# Altium PCB smoothieboard-alt.PcbDoc (part 2 of 3) (continued)
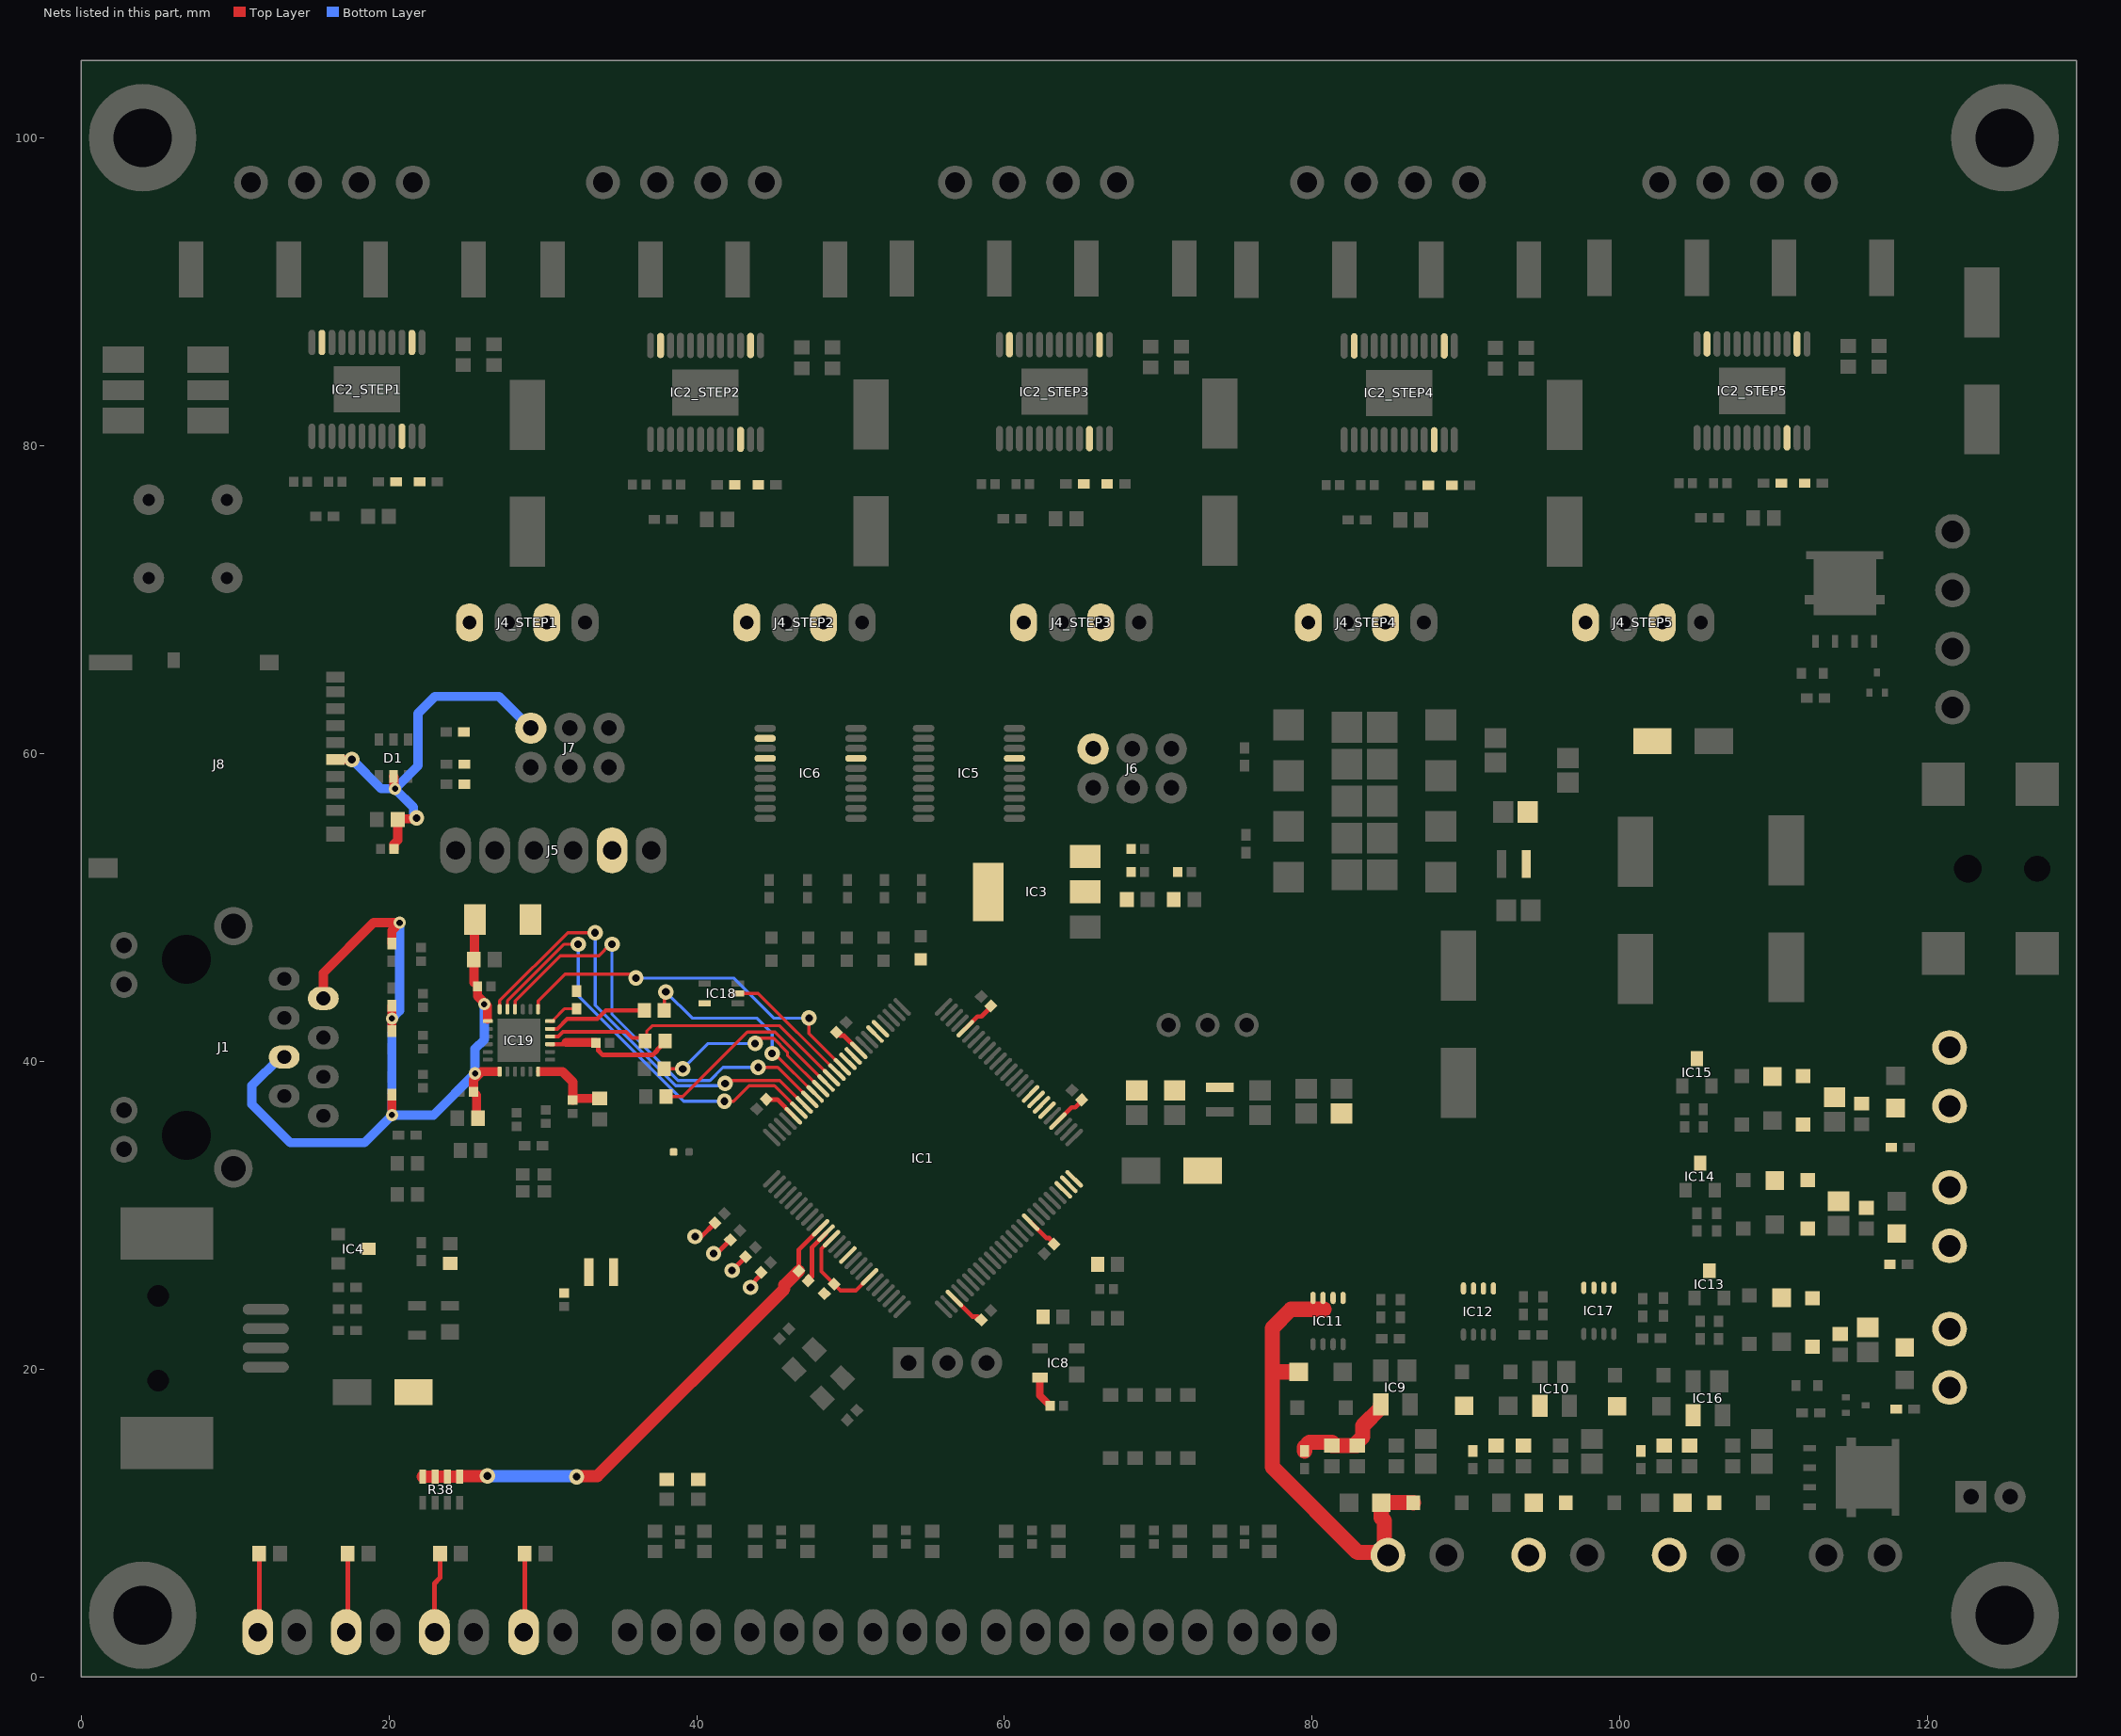
[diagram p3: the nets of this part, all layers, seen from the top]
## Part data (continued)
NT1 NT2: "Net tie point."
R1_STEP1 R1_STEP2 R1_STEP3 R1_STEP4 R1_STEP5 R2_STEP1 R2_STEP2 R2_STEP3 R2_STEP4 R2_STEP5: library part Y14870R05000B9W, "RES 0.05 OHM 0.1% 1W 2512", Device Package="2512 (6432 Metric)", Manufacturer="Vishay Foil Resistors (Division of Vishay Precision Group)", Operating Temperature="-65°C ~ 170°C", Power (Watts)=1W, Supplier Part Number 1=Y1487-.05-ND, Temperature Coefficient=±15ppm/°C, Tolerance=±0.1%, ComponentLink1Description=Datasheet, ComponentLink1URL=http://www.vishaypg.com/docs/63089/csm.pdf, ComponentLink2Description="DigiKey Link", ComponentLink2URL=http://digikey.com/product-detail/en/vishay-foil-resistors-division-of-vishay-precision-group/Y14870R05000B9W/Y1487-.05-ND/1888125, Composition="Metal Foil", Features="Current Sense, Moisture Resistant", Height - Seated (Max)="0.035\" (0.89mm)", LastUpdated="9/2/2020 01:27:03", Lifecycle Status=Active, Minimum Order=1, Number of Terminations=4, Package / Case="2512 (6432 Metric)", Packaging=Tray, Part Number=Y14870R05000B9W, Part Status=Active, Price=13.63, Resistance="50 mOhms", Series=CSM, Size / Dimension="0.250\" L x 0.125\" W (6.35mm x 3.18mm)", Supplier 1=DigiKey
R3_STEP1 R3_STEP2 R3_STEP3 R3_STEP4 R3_STEP5 R4_STEP1 R4_STEP2 R4_STEP3 R4_STEP4 R4_STEP5 R5_STEP1 R5_STEP2 R5_STEP3 R5_STEP4 R5_STEP5 R8 R13 R16 R17 R18 R52 R59 R60 R61 R62 R63 R65 R66 R67 R68 R90: library part CRCW040210K0JNTD, "RES SMD 10K OHM 5% 1/16W 0402", Device Package="0402 (1005 Metric)", Manufacturer="Vishay Dale", Operating Temperature="-55°C ~ 155°C", Power (Watts)="0.063W, 1/16W", Ratings=AEC-Q200, Supplier Device Package=0402, Supplier Part Number 1=541-CRCW040210K0JNTDCT-ND, Temperature Coefficient=±200ppm/°C, Tolerance=±5%, ComponentLink1Description=Datasheet, ComponentLink1URL=http://www.vishay.com/docs/20008/dcrcw.pdf, ComponentLink2Description="DigiKey Link", ComponentLink2URL=http://digikey.com/product-detail/en/vishay-dale/CRCW040210K0JNTD/541-CRCW040210K0JNTDCT-ND/11501263, Composition="Thick Film", Features="Automotive AEC-Q200", LastUpdated="9/2/2020 01:07:22", Lifecycle Status=Active, Minimum Order=1, Number of Terminations=2, Package / Case="0402 (1005 Metric)", Packaging=TapeAndReel, Part Number=CRCW040210K0JNTD, PartId=56880, Price=0.01, Resistance="10 kOhms", Series=CRCW, Supplier 1=DigiKey
R6 R7: library part SFR01MZPF33R0, "RES 33 OHM 1% 1/16W 0402", Device Package="0402 (1005 Metric)", Manufacturer="Rohm Semiconductor", Operating Temperature="-55°C ~ 155°C", Power (Watts)="0.063W, 1/16W", Supplier Device Package=0402, Supplier Part Number 1=511-1806-1-ND, Temperature Coefficient=±100ppm/°C, Tolerance=±1%, ComponentLink1Description=Datasheet, ComponentLink1URL=https://www.rohm.com/datasheet/SFR01MZPF/sfr-e, ComponentLink2Description="DigiKey Link", ComponentLink2URL=http://digikey.com/product-detail/en/rohm-semiconductor/SFR01MZPF33R0/511-1806-1-ND/9771870, Composition="Thick Film", Features=Anti-Sulfur, Height - Seated (Max)="0.016\" (0.40mm)", LastUpdated="9/2/2020 01:07:51", Lifecycle Status=Active, Minimum Order=1, Number of Terminations=2, Package / Case="0402 (1005 Metric)", Packaging=TapeAndReel, Part Number=SFR01MZPF33R0, Part Status=Active, PartId=11505, Price=0.01, Resistance="33 Ohms", Series=SFR, Size / Dimension="0.039\" L x 0.020\" W (1.00mm x 0.50mm)", Supplier 1=DigiKey
R9 R10 R15: library part SR0402FR-7T2K2L, "RES SMD 0402 1/5W 1% 2.2K OHM", Device Package="0402 (1005 Metric)", Manufacturer=Yageo, Operating Temperature="-55°C ~ 155°C", Power (Watts)="0.2W, 1/5W", Ratings=AEC-Q200, Supplier Device Package=0402, Supplier Part Number 1=YAG5818CT-ND, Temperature Coefficient=±200ppm/°C, Tolerance=±1%, ComponentLink1Description=Datasheet, ComponentLink1URL=http://www.yageo.com/documents/recent/PYu-SR_D_F%20tol_RoHS_L_4.pdf, ComponentLink2Description="DigiKey Link", ComponentLink2URL=http://digikey.com/product-detail/en/yageo/SR0402FR-7T2K2L/YAG5818CT-ND/9373203, Composition="Thick Film", Features="Automotive AEC-Q200, Pulse Withstanding", Height - Seated (Max)="0.016\" (0.40mm)", LastUpdated="9/2/2020 01:08:07", Lifecycle Status=Active, Minimum Order=1, Number of Terminations=2, Package / Case="0402 (1005 Metric)", Packaging=TapeAndReel, Part Number=SR0402FR-7T2K2L, Part Status=Active, PartId=4414, Price=0.11, Resistance="2.2 kOhms", Series=SR, Size / Dimension="0.039\" L x 0.020\" W (1.00mm x 0.50mm)", Supplier 1=DigiKey
R11 R12: library part RT0402FRE0733KL, "RES SMD 33K OHM 1% 1/16W 0402", Device Package="0402 (1005 Metric)", Manufacturer=Yageo, Operating Temperature="-55°C ~ 155°C", Power (Watts)="0.063W, 1/16W", Supplier Device Package=0402, Supplier Part Number 1=YAG5933CT-ND, Temperature Coefficient=±50ppm/°C, Tolerance=±1%, ComponentLink1Description=Datasheet, ComponentLink1URL=https://www.yageo.com/upload/media/product/productsearch/datasheet/rchip/PYu-RT_1-to-0.01_RoHS_L_11.pdf, ComponentLink2Description="DigiKey Link", ComponentLink2URL=http://digikey.com/product-detail/en/yageo/RT0402FRE0733KL/YAG5933CT-ND/9370963, Composition="Thin Film", Height - Seated (Max)="0.014\" (0.35mm)", LastUpdated="9/2/2020 01:07:32", Lifecycle Status=Active, Minimum Order=1, Number of Terminations=2, Package / Case="0402 (1005 Metric)", Packaging=TapeAndReel, Part Number=RT0402FRE0733KL, Part Status=Active, PartId=19353, Price=0.01, Resistance="33 kOhms", Series=RT, Size / Dimension="0.039\" L x 0.020\" W (1.00mm x 0.50mm)", Supplier 1=DigiKey
R14 R21 R23 R25 R27 R29 R31 R33 R34 R37 R39 R49: library part RCS060310K0JNEA, "RES SMD 10K OHM 5% 1/4W 0603", Device Package="0603 (1608 Metric)", Manufacturer="Vishay Dale", Operating Temperature="-55°C ~ 155°C", Power (Watts)="0.25W, 1/4W", Ratings=AEC-Q200, Supplier Device Package=0603, Supplier Part Number 1=541-2817-1-ND, Temperature Coefficient=±200ppm/°C, Tolerance=±5%, ComponentLink1Description=Datasheet, ComponentLink1URL=http://www.vishay.com/docs/20065/rcse3.pdf, ComponentLink2Description="DigiKey Link", ComponentLink2URL=http://digikey.com/product-detail/en/vishay-dale/RCS060310K0JNEA/541-2817-1-ND/5867110, Composition="Thick Film", Features="Automotive AEC-Q200, Pulse Withstanding", Height - Seated (Max)="0.020\" (0.50mm)", LastUpdated="9/2/2020 01:10:24", Lifecycle Status=Active, Minimum Order=1, Number of Terminations=2, Package / Case="0603 (1608 Metric)", Packaging=TapeAndReel, Part Number=RCS060310K0JNEA, Part Status=Active, PartId=5383, Price=0.02, Resistance="10 kOhms", Series="RCS e3", Size / Dimension="0.061\" L x 0.033\" W (1.55mm x 0.85mm)", Supplier 1=DigiKey
R19 R82 R88 R89: library part CRCW06030000Z0EAHP, "RES SMD 0 OHM JUMPER 1/4W 0603", Device Package="0603 (1608 Metric)", Manufacturer="Vishay Dale", Operating Temperature="-55°C ~ 155°C", Power (Watts)="0.25W, 1/4W", Ratings=AEC-Q200, Supplier Device Package=0603, Supplier Part Number 1=541-0.0SBCT-ND, Tolerance=Jumper, ComponentLink1Description=Datasheet, ComponentLink1URL=http://www.vishay.com/docs/20043/crcwhpe3.pdf, ComponentLink2Description="DigiKey Link", ComponentLink2URL=http://digikey.com/product-detail/en/vishay-dale/CRCW06030000Z0EAHP/541-0.0SBCT-ND/2222749, Composition="Thick Film", Features="Automotive AEC-Q200, Pulse Withstanding", Height - Seated (Max)="0.022\" (0.55mm)", LastUpdated="9/2/2020 01:10:23", Lifecycle Status=Active, Minimum Order=1, Number of Terminations=2, Package / Case="0603 (1608 Metric)", Packaging=TapeAndReel, Part Number=CRCW06030000Z0EAHP, Part Status=Active, PartId=5474, Price=0.02, Resistance="0 Ohms", Series=CRCW-HP, Size / Dimension="0.063\" L x 0.033\" W (1.60mm x 0.85mm)", Supplier 1=DigiKey
R20 R83: library part CRCW06030000Z0EAHP, "RES SMD 0 OHM JUMPER 1/4W 0603", Device Package="0603 (1608 Metric)", Manufacturer="Vishay Dale", Operating Temperature="-55°C ~ 155°C", Power (Watts)="0.25W, 1/4W", Ratings=AEC-Q200, Resistance="0 Ohms", Supplier Device Package=0603, Supplier Part Number 1=541-0.0SBCT-ND, Tolerance=Jumper, ComponentLink1Description=Datasheet, ComponentLink1URL=http://www.vishay.com/docs/20043/crcwhpe3.pdf, ComponentLink2Description="DigiKey Link", ComponentLink2URL=http://digikey.com/product-detail/en/vishay-dale/CRCW06030000Z0EAHP/541-0.0SBCT-ND/2222749, Composition="Thick Film", Features="Automotive AEC-Q200, Pulse Withstanding", Height - Seated (Max)="0.022\" (0.55mm)", LastUpdated="9/2/2020 01:10:23", Lifecycle Status=Active, Minimum Order=1, Number of Terminations=2, Package / Case="0603 (1608 Metric)", Packaging=TapeAndReel, Part Number=CRCW06030000Z0EAHP, Part Status=Active, PartId=5474, Price=0.02, Series=CRCW-HP, Size / Dimension="0.063\" L x 0.033\" W (1.60mm x 0.85mm)", Supplier 1=DigiKey
R22 R24 R26 R28 R30 R32 R36 R50 R51 R80: library part ERJ-3GEYJ331V, "RES SMD 330 OHM 5% 1/10W 0603", Device Package="0603 (1608 Metric)", Manufacturer="Panasonic Electronic Components", Operating Temperature="-55°C ~ 155°C", Power (Watts)="0.1W, 1/10W", Ratings=AEC-Q200, Supplier Device Package=0603, Supplier Part Number 1=P330GCT-ND, Temperature Coefficient=±200ppm/°C, Tolerance=±5%, ComponentLink1Description=Datasheet, ComponentLink1URL=http://industrial.panasonic.com/www-cgi/jvcr13pz.cgi?E+PZ+3+AOA0001+ERJ3GEYJ331V+7+WW, ComponentLink2Description="DigiKey Link", ComponentLink2URL=http://digikey.com/product-detail/en/panasonic-electronic-components/ERJ-3GEYJ331V/P330GCT-ND/134778, Composition="Thick Film", Features="Automotive AEC-Q200", Height - Seated (Max)="0.022\" (0.55mm)", LastUpdated="9/2/2020 01:10:18", Lifecycle Status=Active, Minimum Order=1, Number of Terminations=2, Package / Case="0603 (1608 Metric)", Packaging=TapeAndReel, Part Number=ERJ-3GEYJ331V, Part Status=Active, PartId=8114, Price=0.01, Resistance="330 Ohms", Series=ERJ, Size / Dimension="0.063\" L x 0.031\" W (1.60mm x 0.80mm)", Supplier 1=DigiKey
R35: library part CRCW04021K50FKEDHP, "RES SMD 1.5K OHM 1% 1/5W 0402", Device Package="0402 (1005 Metric)", Manufacturer="Vishay Dale", Operating Temperature="-55°C ~ 155°C", Power (Watts)="0.2W, 1/5W", Ratings=AEC-Q200, Supplier Device Package=0402, Supplier Part Number 1=541-1.50KYCT-ND, Temperature Coefficient=±100ppm/°C, Tolerance=±1%, ComponentLink1Description=Datasheet, ComponentLink1URL=http://www.vishay.com/docs/20043/crcwhpe3.pdf, ComponentLink2Description="DigiKey Link", ComponentLink2URL=http://digikey.com/product-detail/en/vishay-dale/CRCW04021K50FKEDHP/541-1.50KYCT-ND/2223032, Composition="Thick Film", Features="Automotive AEC-Q200, Pulse Withstanding", Height - Seated (Max)="0.016\" (0.40mm)", LastUpdated="9/2/2020 01:07:48", Lifecycle Status=Active, Minimum Order=1, Number of Terminations=2, Package / Case="0402 (1005 Metric)", Packaging=TapeAndReel, Part Number=CRCW04021K50FKEDHP, Part Status=Active, PartId=12783, Price=0.01, Resistance="1.5 kOhms", Series=CRCW-HP, Size / Dimension="0.039\" L x 0.020\" W (1.00mm x 0.50mm)", Supplier 1=DigiKey
R38: "RES ARRAY 4 RES 4.7K OHM 1206", Manufacturer="Stackpole Electronics Inc", Number of Resistors=4, Operating Temperature="-55°C ~ 155°C", Package / Case="1206 (3216 Metric), Convex, Long Side Terminals", Power Per Element=62.5mW, Resistance (Ohms)=4.7k, Supplier Part Number 1=RAVF164DJT4K70CT-ND, Temperature Coefficient=±200ppm/°C, Tolerance=±5%, Applications="Automotive AEC-Q200", Circuit Type=Isolated, ComponentLink1Description=Datasheet, ComponentLink1URL=https://www.seielect.com/catalog/sei-ravf.pdf, ComponentLink2Description="DigiKey Link", ComponentLink2URL=http://digikey.com/product-detail/en/stackpole-electronics-inc/RAVF164DJT4K70/RAVF164DJT4K70CT-ND/2425255, Height - Seated (Max)="0.024\" (0.60mm)", LastUpdated="9/2/2020 01:23:25", Lifecycle Status=Active, Minimum Order=1, Mounting Type="Surface Mount", Number of Pins=8, Packaging=TapeAndReel, Part Number=RAVF164DJT4K70, Part Status=Active, PartId=53, Price=0.01, Series=RAVF, Size / Dimension="0.126\" L x 0.063\" W (3.20mm x 1.60mm)", Supplier 1=DigiKey
R40 R41 R43: library part ERJ-3EKF22R0V, "RES SMD 22 OHM 1% 1/10W 0603", Device Package="0603 (1608 Metric)", Manufacturer="Panasonic Electronic Components", Operating Temperature="-55°C ~ 155°C", Power (Watts)="0.1W, 1/10W", Ratings=AEC-Q200, Supplier Device Package=0603, Supplier Part Number 1=P22.0HCT-ND, Temperature Coefficient=±100ppm/°C, Tolerance=±1%, ComponentLink1Description=Datasheet, ComponentLink1URL=https://industrial.panasonic.com/cdbs/www-data/pdf/RDA0000/AOA0000C304.pdf, ComponentLink2Description="DigiKey Link", ComponentLink2URL=http://digikey.com/product-detail/en/panasonic-electronic-components/ERJ-3EKF22R0V/P22.0HCT-ND/1746745, Composition="Thick Film", Features="Automotive AEC-Q200", Height - Seated (Max)="0.022\" (0.55mm)", LastUpdated="9/2/2020 01:10:23", Lifecycle Status=Active, Minimum Order=1, Number of Terminations=2, Package / Case="0603 (1608 Metric)", Packaging=TapeAndReel, Part Number=ERJ-3EKF22R0V, Part Status=Active, PartId=5655, Price=0.01, Resistance="22 Ohms", Series=ERJ, Size / Dimension="0.063\" L x 0.031\" W (1.60mm x 0.80mm)", Supplier 1=DigiKey
R42: library part RCS04021K50FKED, "RES SMD 1.5K OHM 1% 1/5W 0402", Device Package="0402 (1005 Metric)", Manufacturer="Vishay Dale", Operating Temperature="-55°C ~ 155°C", Power (Watts)="0.2W, 1/5W", Ratings=AEC-Q200, Supplier Device Package=0402, Supplier Part Number 1=541-2889-1-ND, Temperature Coefficient=±100ppm/°C, Tolerance=±1%, ComponentLink1Description=Datasheet, ComponentLink1URL=http://www.vishay.com/docs/20065/rcse3.pdf, ComponentLink2Description="DigiKey Link", ComponentLink2URL=http://digikey.com/product-detail/en/vishay-dale/RCS04021K50FKED/541-2889-1-ND/5867182, Composition="Thick Film", Features="Automotive AEC-Q200, Pulse Withstanding", Height - Seated (Max)="0.016\" (0.40mm)", LastUpdated="9/2/2020 01:07:26", Lifecycle Status=Active, Minimum Order=1, Number of Terminations=2, Package / Case="0402 (1005 Metric)", Packaging=TapeAndReel, Part Number=RCS04021K50FKED, Part Status=Active, PartId=21427, Price=0.01, Resistance="1.5 kOhms", Series="RCS e3", Size / Dimension="0.039\" L x 0.020\" W (1.00mm x 0.50mm)", Supplier 1=DigiKey
R44 R45 R46 R47: library part RR0510R-49R9-D, "RES SMD 49.9 OHM 0.5% 1/16W 0402", Device Package="0402 (1005 Metric)", Manufacturer=Susumu, Operating Temperature="-55°C ~ 125°C", Power (Watts)="0.063W, 1/16W", Supplier Part Number 1=RR05R49.9DCT-ND, Temperature Coefficient=±100ppm/°C, Tolerance=±0.5%, ComponentLink1Description=Datasheet, ComponentLink1URL=http://www.susumu.co.jp/common/pdf/n_catalog_partition05_en.pdf, ComponentLink2Description="DigiKey Link", ComponentLink2URL=http://digikey.com/product-detail/en/susumu/RR0510R-49R9-D/RR05R49.9DCT-ND/567334, Composition="Thin Film", Height - Seated (Max)="0.016\" (0.40mm)", LastUpdated="9/2/2020 01:08:09", Lifecycle Status=Active, Minimum Order=1, Number of Terminations=2, Package / Case="0402 (1005 Metric)", Packaging=TapeAndReel, Part Number=RR0510R-49R9-D, Part Status=Active, PartId=3128, Price=0.01, Resistance="49.9 Ohms", Series=RR, Size / Dimension="0.039\" L x 0.020\" W (1.00mm x 0.50mm)", Supplier 1=DigiKey
R48: library part CRCW040212K1FKTD, "RES SMD 12.1K OHM 1% 1/16W 0402", Device Package="0402 (1005 Metric)", Manufacturer="Vishay Dale", Operating Temperature="-55°C ~ 155°C", Power (Watts)="0.063W, 1/16W", Ratings=AEC-Q200, Supplier Device Package=0402, Supplier Part Number 1=541-CRCW040212K1FKTDCT-ND, Temperature Coefficient=±100ppm/°C, Tolerance=±1%, ComponentLink1Description=Datasheet, ComponentLink1URL=http://www.vishay.com/docs/20008/dcrcw.pdf, ComponentLink2Description="DigiKey Link", ComponentLink2URL=http://digikey.com/product-detail/en/vishay-dale/CRCW040212K1FKTD/541-CRCW040212K1FKTDCT-ND/11500769, Composition="Thick Film", Features="Automotive AEC-Q200", LastUpdated="9/2/2020 01:07:21", Lifecycle Status=Active, Minimum Order=1, Number of Terminations=2, Package / Case="0402 (1005 Metric)", Packaging=TapeAndReel, Part Number=CRCW040212K1FKTD, PartId=56740, Price=0.01, Resistance="12.1 kOhms", Series=CRCW, Supplier 1=DigiKey
R53: library part CRCW04022K70FKEDHP, "RES SMD 2.7K OHM 1% 1/5W 0402", Device Package="0402 (1005 Metric)", Manufacturer="Vishay Dale", Operating Temperature="-55°C ~ 155°C", Power (Watts)="0.2W, 1/5W", Ratings=AEC-Q200, Supplier Device Package=0402, Supplier Part Number 1=541-2.70KYCT-ND, Temperature Coefficient=±100ppm/°C, Tolerance=±1%, ComponentLink1Description=Datasheet, ComponentLink1URL=http://www.vishay.com/docs/20043/crcwhpe3.pdf, ComponentLink2Description="DigiKey Link", ComponentLink2URL=http://digikey.com/product-detail/en/vishay-dale/CRCW04022K70FKEDHP/541-2.70KYCT-ND/5326787, Composition="Thick Film", Features="Automotive AEC-Q200, Pulse Withstanding", Height - Seated (Max)="0.016\" (0.40mm)", LastUpdated="9/2/2020 01:07:50", Lifecycle Status=Active, Minimum Order=1, Number of Terminations=2, Package / Case="0402 (1005 Metric)", Packaging=TapeAndReel, Part Number=CRCW04022K70FKEDHP, Part Status=Active, PartId=11908, Price=0.01, Resistance="2.7 kOhms", Series=CRCW-HP, Size / Dimension="0.039\" L x 0.020\" W (1.00mm x 0.50mm)", Supplier 1=DigiKey
R54 R55 R56 R57 R58 R64: library part ERJ-PA2F24R0X, "RES SMD 24 OHM 1% 1/5W 0402", Device Package="0402 (1005 Metric)", Manufacturer="Panasonic Electronic Components", Operating Temperature="-55°C ~ 155°C", Power (Watts)="0.2W, 1/5W", Ratings=AEC-Q200, Supplier Device Package=0402, Supplier Part Number 1=P124461CT-ND, Temperature Coefficient=±100ppm/°C, Tolerance=±1%, ComponentLink1Description=Datasheet, ComponentLink1URL=https://industrial.panasonic.com/cdbs/www-data/pdf/RDO0000/AOA0000C331.pdf, ComponentLink2Description="DigiKey Link", ComponentLink2URL=http://digikey.com/product-detail/en/panasonic-electronic-components/ERJ-PA2F24R0X/P124461CT-ND/10271437, Composition="Thick Film", Features="Automotive AEC-Q200, Pulse Withstanding", Height - Seated (Max)="0.016\" (0.40mm)", LastUpdated="9/2/2020 01:07:52", Lifecycle Status=Active, Minimum Order=1, Number of Terminations=2, Package / Case="0402 (1005 Metric)", Packaging=TapeAndReel, Part Number=ERJ-PA2F24R0X, Part Status=Active, PartId=11226, Price=0.02, Resistance="24 Ohms", Series=ERJ, Size / Dimension="0.039\" L x 0.022\" W (1.00mm x 0.55mm)", Supplier 1=DigiKey
R69 R70 R71 R72 R73 R74: library part CRCW04021K00FKEDHP, "RES SMD 1K OHM 1% 1/5W 0402", Device Package="0402 (1005 Metric)", Manufacturer="Vishay Dale", Operating Temperature="-55°C ~ 155°C", Power (Watts)="0.2W, 1/5W", Ratings=AEC-Q200, Supplier Device Package=0402, Supplier Part Number 1=541-1.00KYCT-ND, Temperature Coefficient=±100ppm/°C, Tolerance=±1%, ComponentLink1Description=Datasheet, ComponentLink1URL=http://www.vishay.com/docs/20043/crcwhpe3.pdf, ComponentLink2Description="DigiKey Link", ComponentLink2URL=http://digikey.com/product-detail/en/vishay-dale/CRCW04021K00FKEDHP/541-1.00KYCT-ND/2223030, Composition="Thick Film", Features="Automotive AEC-Q200, Pulse Withstanding", Height - Seated (Max)="0.016\" (0.40mm)", LastUpdated="9/2/2020 01:08:02", Lifecycle Status=Active, Minimum Order=1, Number of Terminations=2, Package / Case="0402 (1005 Metric)", Packaging=TapeAndReel, Part Number=CRCW04021K00FKEDHP, Part Status=Active, PartId=6224, Price=0.01, Resistance="1 kOhms", Series=CRCW-HP, Size / Dimension="0.039\" L x 0.020\" W (1.00mm x 0.50mm)", Supplier 1=DigiKey
R75 R76: library part CRCW04025R90FKED, "RES SMD 5.9 OHM 1% 1/16W 0402", Device Package="0402 (1005 Metric)", Manufacturer="Vishay Dale", Operating Temperature="-55°C ~ 155°C", Power (Watts)="0.063W, 1/16W", Ratings=AEC-Q200, Supplier Device Package=0402, Supplier Part Number 1=541-5.90LLCT-ND, Temperature Coefficient=±100ppm/°C, Tolerance=±1%, ComponentLink1Description=Datasheet, ComponentLink1URL=http://www.vishay.com/docs/20035/dcrcwe3.pdf, ComponentLink2Description="DigiKey Link", ComponentLink2URL=http://digikey.com/product-detail/en/vishay-dale/CRCW04025R90FKED/541-5.90LLCT-ND/1961971, Composition="Thick Film", Features="Automotive AEC-Q200", Height - Seated (Max)="0.016\" (0.40mm)", LastUpdated="9/2/2020 01:07:48", Lifecycle Status=Active, Minimum Order=1, Number of Terminations=2, Package / Case="0402 (1005 Metric)", Packaging=CutTape, Part Number=CRCW04025R90FKED, Part Status=Active, PartId=12971, Price=0.10, Resistance="5.9 Ohms", Series=CRCW, Size / Dimension="0.039\" L x 0.020\" W (1.00mm x 0.50mm)", Supplier 1=DigiKey
R77: library part ERJ-2RKF66R5X, "RES SMD 66.5 OHM 1% 1/10W 0402", Device Package="0402 (1005 Metric)", Manufacturer="Panasonic Electronic Components", Operating Temperature="-55°C ~ 155°C", Power (Watts)="0.1W, 1/10W", Ratings=AEC-Q200, Supplier Device Package=0402, Supplier Part Number 1=P66.5LCT-ND, Temperature Coefficient=±100ppm/°C, Tolerance=±1%, ComponentLink1Description=Datasheet, ComponentLink1URL=https://industrial.panasonic.com/cdbs/www-data/pdf/RDA0000/AOA0000C304.pdf, ComponentLink2Description="DigiKey Link", ComponentLink2URL=http://digikey.com/product-detail/en/panasonic-electronic-components/ERJ-2RKF66R5X/P66.5LCT-ND/194488, Composition="Thick Film", Features="Automotive AEC-Q200", Height - Seated (Max)="0.016\" (0.40mm)", LastUpdated="9/2/2020 01:08:01", Lifecycle Status=Active, Minimum Order=1, Number of Terminations=2, Package / Case="0402 (1005 Metric)", Packaging=CutTape, Part Number=ERJ-2RKF66R5X, Part Status=Active, PartId=6560, Price=0.10, Resistance="66.5 Ohms", Series=ERJ, Size / Dimension="0.039\" L x 0.020\" W (1.00mm x 0.50mm)", Supplier 1=DigiKey
R78 R84 R85 R86 R87: library part ERJ-PA2J131X, "RES SMD 130 OHM 5% 1/5W 0402", Device Package="0402 (1005 Metric)", Manufacturer="Panasonic Electronic Components", Operating Temperature="-55°C ~ 155°C", Power (Watts)="0.2W, 1/5W", Ratings=AEC-Q200, Supplier Device Package=0402, Supplier Part Number 1=P124528CT-ND, Temperature Coefficient=±200ppm/°C, Tolerance=±5%, ComponentLink1Description=Datasheet, ComponentLink1URL=https://industrial.panasonic.com/cdbs/www-data/pdf/RDO0000/AOA0000C331.pdf, ComponentLink2Description="DigiKey Link", ComponentLink2URL=http://digikey.com/product-detail/en/panasonic-electronic-components/ERJ-PA2J131X/P124528CT-ND/10284798, Composition="Thick Film", Features="Automotive AEC-Q200, Pulse Withstanding", Height - Seated (Max)="0.016\" (0.40mm)", LastUpdated="9/2/2020 01:07:33", Lifecycle Status=Active, Minimum Order=1, Number of Terminations=2, Package / Case="0402 (1005 Metric)", Packaging=TapeAndReel, Part Number=ERJ-PA2J131X, Part Status=Active, PartId=18886, Price=0.01, Resistance="130 Ohms", Series=ERJ, Size / Dimension="0.039\" L x 0.022\" W (1.00mm x 0.55mm)", Supplier 1=DigiKey
R79: library part CR0402-FX-2433GLF, "RES SMD 243K OHM 1% 1/16W 0402", Device Package="0402 (1005 Metric)", Manufacturer="Bourns Inc.", Operating Temperature="-55°C ~ 155°C", Power (Watts)="0.063W, 1/16W", Supplier Device Package=0402, Supplier Part Number 1=CR0402-FX-2433GLFCT-ND, Temperature Coefficient=±100ppm/°C, Tolerance=±1%, ComponentLink1Description=Datasheet, ComponentLink1URL=https://www.bourns.com/docs/Product-Datasheets/CR0402.pdf, ComponentLink2Description="DigiKey Link", ComponentLink2URL=http://digikey.com/product-detail/en/bourns-inc/CR0402-FX-2433GLF/CR0402-FX-2433GLFCT-ND/8601874, Composition="Thick Film", Height - Seated (Max)="0.016\" (0.40mm)", LastUpdated="9/2/2020 01:07:39", Lifecycle Status=Active, Minimum Order=1, Number of Terminations=2, Package / Case="0402 (1005 Metric)", Packaging=TapeAndReel, Part Number=CR0402-FX-2433GLF, Part Status=Active, PartId=16468, Price=0.01, Resistance="243 kOhms", Series=CR0402, Size / Dimension="0.039\" L x 0.020\" W (1.00mm x 0.50mm)", Supplier 1=DigiKey
R81: library part RCS04021M00FKED, "RES SMD 1M OHM 1% 1/5W 0402", Device Package="0402 (1005 Metric)", Manufacturer="Vishay Dale", Operating Temperature="-55°C ~ 155°C", Power (Watts)="0.2W, 1/5W", Ratings=AEC-Q200, Supplier Device Package=0402, Supplier Part Number 1=541-2902-1-ND, Temperature Coefficient=±100ppm/°C, Tolerance=±1%, ComponentLink1Description=Datasheet, ComponentLink1URL=http://www.vishay.com/docs/20065/rcse3.pdf, ComponentLink2Description="DigiKey Link", ComponentLink2URL=http://digikey.com/product-detail/en/vishay-dale/RCS04021M00FKED/541-2902-1-ND/5867195, Composition="Thick Film", Features="Automotive AEC-Q200, Pulse Withstanding", Height - Seated (Max)="0.016\" (0.40mm)", LastUpdated="9/2/2020 01:07:29", Lifecycle Status=Active, Minimum Order=1, Number of Terminations=2, Package / Case="0402 (1005 Metric)", Packaging=TapeAndReel, Part Number=RCS04021M00FKED, Part Status=Active, PartId=20245, Price=0.01, Resistance="1 MOhms", Series="RCS e3", Size / Dimension="0.039\" L x 0.020\" W (1.00mm x 0.50mm)", Supplier 1=DigiKey
S1 S2: "SWITCH TACTILE SPST-NO 50MA 32V", Contact Rating @ Voltage="0.05A @ 32VDC", Manufacturer=C&K, Operating Force=400gf, Operating Temperature="-40°C ~ 85°C", Supplier Part Number 1=CKN10688CT-ND, Actuator Height off PCB, Vertical=2.50mm, Actuator Orientation="Top Actuated", Actuator Type=Standard, Circuit=SPST-NO, ComponentLink1Description=Datasheet, ComponentLink1URL=https://dznh3ojzb2azq.cloudfront.net/products/Tactile/KMR7/documents/datasheet.pdf, ComponentLink2Description="DigiKey Link", ComponentLink2URL=http://digikey.com/product-detail/en/c-k/KMR741NG-ULC-LFS/CKN10688CT-ND/6035360, Illumination=Non-Illuminated, Ingress Protection="IP67 - Dust Tight, Waterproof", LastUpdated="4/9/2020 10:01:05", Lifecycle Status=Active, Minimum Order=1, Mounting Type="Surface Mount", Outline="4.20mm x 2.80mm", Packaging=TapeAndReel, Part Number="KMR741NG ULC LFS", Part Status=Active, Price=0.16, Series=KMR7, Supplier 1=DigiKey, Switch Function=Off-Mom, Termination Style="Gull Wing"
S3: "SWITCH PUSH SPST-NO 0.4VA 28V", Color - Actuator/Cap=Red, Current Rating (Amps)="0.4VA (AC/DC)", Manufacturer="NKK Switches", Operating Temperature="-30°C ~ 85°C", Supplier Part Number 1=360-2604-ND, Voltage Rating - AC=28V, Actuator Type="Round, Button", Circuit=SPST-NO, ComponentLink1Description=Datasheet, ComponentLink1URL=https://www.nkkswitches.com/pdf/Apushbuttons.pdf, ComponentLink2Description="DigiKey Link", ComponentLink2URL=http://digikey.com/product-detail/en/nkk-switches/AB11AH-HC/360-2604-ND/1056046, Features="Sealed - Fully", LastUpdated="1/25/2020 20:05:42", Lifecycle Status=Active, Minimum Order=1, Mounting Type="Through Hole, Right Angle", Packaging=Tray, Part Number=AB11AH-HC, Part Status=Active, Price=5.00, Series=AB, Supplier 1=DigiKey, Switch Function=Off-Mom, Termination Style="PC Pin", Type=Standard, Voltage Rating - DC=28V
Y1: library part CX2016DB25000H0FLJC1, "CRYSTAL 25.0000MHZ 12PF SMD", ESR (Equivalent Series Resistance)="150 Ohms", Frequency Stability=±15ppm, Frequency Tolerance=±10ppm, Load Capacitance=12pF, Manufacturer="Kyocera International Inc. Electronic Components", Operating Mode=Fundamental, Operating Temperature="-30°C ~ 85°C", Package / Case="4-SMD, No Lead", Supplier Part Number 1=1253-1709-1-ND, ComponentLink1Description=Datasheet, ComponentLink1URL=//media.digikey.com/pdf/Data%20Sheets/AVX%20PDFs/CX2016DB_USY1M-H1-16426-00_Spec.pdf, ComponentLink2Description="DigiKey Link", ComponentLink2URL=http://digikey.com/product-detail/en/kyocera-international-inc-electronic-components/CX2016DB25000H0FLJC1/1253-1709-1-ND/6123336, Frequency=25MHz, Height - Seated (Max)="0.018\" (0.45mm)", LastUpdated="9/2/2020 01:21:56", Lifecycle Status=Active, Minimum Order=1, Mounting Type="Surface Mount", Packaging=TapeAndReel, Part Number=CX2016DB25000H0FLJC1, Part Status=Active, PartId=458, Price=0.36, Series="CX2016DB, Kyocera", Size / Dimension="0.079\" L x 0.063\" W (2.00mm x 1.60mm)", Supplier 1=DigiKey, Type="MHz Crystal"
Y2: library part CX3225GB12000H0KPSC1, "CRYSTAL 12.0000MHZ 12PF SMD", ESR (Equivalent Series Resistance)="150 Ohms", Frequency Stability=±50ppm, Frequency Tolerance=±30ppm, Load Capacitance=12pF, Manufacturer="Kyocera International Inc. Electronic Components", Operating Mode=Fundamental, Operating Temperature="-40°C ~ 85°C", Package / Case="4-SMD, No Lead", Supplier Part Number 1=1253-1596-1-ND, ComponentLink1Description=Datasheet, ComponentLink1URL=//media.digikey.com/pdf/Data%20Sheets/AVX%20PDFs/CX3225GB12000H0KPSC1_Spec.pdf, ComponentLink2Description="DigiKey Link", ComponentLink2URL=http://digikey.com/product-detail/en/kyocera-international-inc-electronic-components/CX3225GB12000H0KPSC1/1253-1596-1-ND/5765377, Frequency=12MHz, Height - Seated (Max)="0.035\" (0.90mm)", LastUpdated="9/2/2020 01:21:57", Lifecycle Status=Active, Minimum Order=1, Mounting Type="Surface Mount", Packaging=TapeAndReel, Part Number=CX3225GB12000H0KPSC1, Part Status=Active, PartId=503, Price=0.32, Series="CX3225GB, Kyocera", Size / Dimension="0.126\" L x 0.098\" W (3.20mm x 2.50mm)", Supplier 1=DigiKey, Type="MHz Crystal"
Q1 Q2: Part Number=SQJ459EP-T1_GE3

## Via types
v1: diameter 0.5, hole 0.2, Top Layer to Bottom Layer, tented both sides, 60 vias
v2: diameter 1, hole 0.5, Top Layer to Bottom Layer, tented both sides, 45 vias
v3: diameter 0.8, hole 0.4, Top Layer to Bottom Layer, tented both sides, 26 vias
v4: diameter 0.8, hole 0.5, Top Layer to Bottom Layer, tented both sides, 2 vias

## Nets (pads, with @x,y where several pads share a name; then routed paths per layer and width w, separated by ;. In a path a pad name is that pad's centre, name@x,y a point inside that pad or via, vN(x,y) a via of type N, cw(c..) or ccw(c..) an arc to the next point about the centre after c; other vN are vias at no path point)
+3V3: C1.2 C2.2 C3.2 C4.2 C5.2 C16.2 C17.2 C18.2 C19.2 C26.2 C44.2 C45.2 C46.2 C53.2 C74.2 C75.2 C79.2 D1.5 D28.1 FB1.1 IC1.28 IC1.42 IC1.54 IC1.71 IC1.84 IC1.96 IC2_STEP1.10 IC2_STEP2.10 IC2_STEP3.10 IC2_STEP4.10 IC2_STEP5.10 IC3.2 IC3.4 IC4.3 IC5.17 IC6.4 IC6.17 IC8.4 IC18.5 IC19.6 IC19.9 J6.1 J7.1 J8.4 L1.1 R3_STEP1.2 R3_STEP2.2 R3_STEP3.2 R3_STEP4.2 R3_STEP5.2 R4_STEP1.2 R4_STEP2.2 R4_STEP3.2 R4_STEP4.2 R4_STEP5.2 R8.2 R9.2 R10.2 R11.2 R12.2 R13.2 R14.1 R16.1 R17.1 R18.1 R20.1 R33.2 R34.1 R37.1 R39.2 R42.1 R83.1 R88.1 R89.1 | length 54.4
  Top Layer w0.3: IC19.9@30.475,41.1 31.384,41.1 31.509,41.225 ; C44.2@33.46,41.2 33.608,41.052 33.608,40.692 33.9,40.4 37.145,40.4 37.432,40.687 37.432,40.732 37.95,41.25 R39.2@37.95,41.3 ; C2.2@44.522,37.522 44.536,37.508 45.235,37.508 IC1.96@46.285,36.458 ; C1.2@49.089,41.889 49.315,41.663 49.566,41.663 IC1.84@50.528,40.7 ; IC1.28@56.751,24.578 57.914,23.415 58.263,23.415 C53.2@58.489,23.189 ; IC1.71@57.458,42.115 58.243,42.9 58.5,42.9 59.111,43.511 C75.2@59.111,43.589 ; IC1.42@61.7,29.528 62.728,28.5 62.9,28.5 63.211,28.189 C3.2@63.211,28.111 ; IC1.54@63.468,36.104 64.364,37 64.6,37 65.011,37.411 C4.2@65.011,37.489
  Top Layer w0.5: IC8.4@62.3,19.45 62.3,18.28 62.91,17.67 62.91,17.65 C26.2@62.96,17.6
  Top Layer w0.6: J8.4@16.525,59.6 v2(17.6,59.6) ; D1.5@20.3,58.5 20.325,58.475 20.325,57.829 20.4,57.754 v3(20.4,57.7) ; C19.2@20.34,53.8 20.34,54.12 20.575,54.355 C18.2@20.575,55.7 20.625,55.75 21.75,55.75 v2(21.8,55.8) ; 29.875,39.325 31.275,39.325 31.95,38.65 C45.2@31.95,37.48 31.97,37.48 32.065,37.575 C46.2@33.7,37.575 ; 31.509,41.225 32.359,41.225 32.364,41.22 33.46,41.22 C44.2@33.46,41.2
  Bottom Layer w0.6: v2(17.6,59.6) 19.5,57.7 v3(20.4,57.7) ; v2(21.8,55.8) 21.6,56 21.6,56.5 v3(20.4,57.7) ; J7.1@29.22,61.64 27.16,63.7 23,63.7 21.9,62.6 21.9,59.2 v3(20.4,57.7)
+3V3_ETH: C47.2 C48.2 C49.2 C50.2 FB1.2 IC19.1 IC19.19 J1.2 J1.5 R44.2 R45.2 R46.2 R47.2 | length 61.9
  Top Layer w0.6: J1.2@15.74,44.075 15.74,45.74 19,49 v3(20.7,49) 20.2,48.5 R46.2@20.2,47.65 ; v3@20.2,36.9 R45.2@20.2,37.825 ; R44.2@20.2,41.95 v3(20.2,42.775) R47.2@20.2,43.6 ; C47.2@25.525,45.105 25.525,46.65 25.562,46.688 25.562,49.163 FB1.2@25.6,49.2 ; C47.2@25.76,44.85 25.76,44.24 26.4,43.6 26.4,42.725 ; C49.2@25.8,36.3 25.7,36.4 25.7,37.78 25.5,37.98 C48.2@25.5,38 25.5,38.8 26.025,39.325 27.025,39.325
  Bottom Layer w0.6: J1.5@13.2,40.265 12.95,40.265 11.1,38.415 11.1,37.2 13.6,34.7 18.4,34.7 v3(20.2,36.5) ; v3(20.7,49) 20.7,43.275 v3(20.2,42.775) v3(20.2,36.5) ; v3(26.2,43.7) 26.2,41.4 25.6,40.8 v3(25.6,39.2) 22.9,36.5 v3(20.2,36.5)
+5: C73.2 C76.2 C77.2 C78.2 D5.2 D7.2 D22.2 IC3.3 R19.1 R82.1
+12V: C58.2 C59.2 C60.2 C61.2 C62.2 C63.2 C64.2 C65.2 C66.2 C70.2 C71.2 C82.2 C86.2 C87.2 C88.2 D16.2 D29.2 D30.2 IC9.3 IC10.3 IC16.3 J23.1 J24.1 J25.1 L2.2 L3.1 R69.1 R70.1 R71.1 R72.1 R73.1 R74.1 | length 6.9
  Top Layer w1: R69.1@79.502,14.669 79.502,14.926 79.816,15.24 C61.2@81.28,15.24 ; C61.2@81.28,15.026 C88.2@82.931,15.026 ; C88.2@82.931,15.24 83.28,15.589 83.28,16.31 84.45,17.48 IC9.3@84.45,17.7
AGND: C6.1 C29.1 C30.1 C31.1 C32.1 C33.1 C34.1 C35.1 C36.1 C37.1 IC1.11 IC1.15 J16.2 J17.2 J18.2 J19.2 NT1.1 | length 29.6
  Top Layer w0.3: J19.2@11.48,2.9 11.575,2.995 C36.1@11.575,8 ; J18.2@17.246,2.857 17.325,2.936 C34.1@17.325,8 ; J17.2@22.96,3.208 22.96,6.066 23.325,6.431 C32.1@23.325,8 ; J16.2@28.76,2.9 28.825,2.965 C30.1@28.825,8 ; v2(39.9,28.6) 40.3,28.6 C37.1@41.189,29.489 ; v2(41.1,27.5) 41.3,27.5 C35.1@42.189,28.389 ; v2(42.3,26.4) C33.1@43.189,27.289 ; v2(43.5,25.3) 43.5,25.45 44.189,26.139 C31.1@44.189,26.289 ; C6.1@47.249,25.741 47.498,25.991 47.498,27.913 IC1.11@48.407,28.821
AVCC: C6.2 C29.2 IC1.10 IC1.12 IC1.19 L1.2 R38.5 R38.6 R38.7 R38.8 | length 40
  Top Layer w0.25: IC1.12@48.76,28.467 48.1,27.807 48.1,26.345 C29.2@48.922,25.522 49.345,25.1 50.343,25.1 IC1.19@51.235,25.993
  Top Layer w0.3: C6.2@46.627,26.364 46.641,26.378 46.641,27.762 IC1.10@48.053,29.175
  Top Layer w0.8: R38.8@22.2,13 R38.7@23,13 R38.6@23.8,13 R38.5@24.6,13 24.625,13.025 26.375,13.025 v2(26.4,13.05) ; v2(32.2,13) 32.238,13.038 33.538,13.038 45.7,25.2 45.7,25.437 C6.2@46.627,26.364
  Bottom Layer w0.8: v2(26.4,13.05) 26.425,13.025 32.175,13.025 v2(32.2,13)
CRS: IC19.11 R43.1 | length 6.6
  Top Layer w0.25: IC19.11@30.475,42.1 30.934,42.1 31.584,42.75 33.537,42.75 34.087,43.3 R43.1@36.6,43.3
CTS: J5.2
DIR0: IC1.80 IC2_STEP1.14 J4_STEP1.3
DIR1: IC1.49 IC2_STEP2.14 J4_STEP2.3
DIR2: IC1.58 IC2_STEP3.14 J4_STEP3.3
DIR3: IC1.56 IC2_STEP4.14 J4_STEP4.3
DIR4: IC1.50 IC2_STEP5.14 J4_STEP5.3
EN0: IC1.81 IC2_STEP1.23 J4_STEP1.1
EN1: IC1.48 IC2_STEP2.23 J4_STEP2.1
EN2: IC1.59 IC2_STEP3.23 J4_STEP3.1
EN3: IC1.57 IC2_STEP4.23 J4_STEP4.1
EN4: IC1.85 IC2_STEP5.23 J4_STEP5.1
ENET_CRS: IC1.92 R43.2 | length 14.4
  Top Layer w0.2: R43.2@37.9,43.3 37.9,44.4 v2(38,44.5) ; v2(44.9,40.5) 45.072,40.5 IC1.92@47.7,37.872
  Bottom Layer w0.2: v2(38,44.5) 39.7,42.8 43.9,42.8 44.9,41.8 v2(44.9,40.5)
ENET_MDC: IC1.87 IC19.13 | length 24.1
  Top Layer w0.2: IC19.13@29.7,43.375 29.7,43.92 31.44,45.66 35.74,45.66 36,45.4 v2(36.05,45.4) ; v2(47.3,42.8) 47.3,41.807 IC1.87@49.467,39.64
  Bottom Layer w0.2: v2(36.05,45.4) 42.4,45.4 45,42.8 v2(47.3,42.8)
ENET_MDIO: IC1.86 IC19.12 R42.2 | length 2.1
  Top Layer w0.2: IC19.12@30.475,42.6 30.675,42.6 30.7,42.625 30.7,42.7 31.4,43.4 R42.2@32.2,43.4
ENET_REFCLK: IC1.88 IC18.2 | length 8.6
  Top Layer w0.2: IC18.2@42.675,44.4 44,44.4 IC1.88@49.114,39.286
ENET_RX_ER: IC1.89 IC19.10 R39.1 | length 20.8
  Top Layer w0.2: R39.1@36.65,41.3 36.758,41.408 36.758,41.958 37.1,42.3 45.393,42.3 IC1.89@48.76,38.933
  Top Layer w0.25: IC19.10@30.475,41.6 31,41.6 31.3,41.9 35.4,41.9 35.8,41.5 36.45,41.5 R39.1@36.65,41.3
ENET_RXD0: IC1.91 R40.2 | length 12.6
  Top Layer w0.2: R40.2@37.9,39.5 v2(39.1,39.5) ; v2@43.8,41.1 v2(43.8,41.15) 43.8,41.3 44,41.5 44.991,41.5 45.9,40.591 45.9,40.379 IC1.91@48.053,38.225
  Bottom Layer w0.2: v2(39.1,39.5) 40.75,41.15 v2(43.8,41.15)
ENET_RXD1: IC1.90 R41.2 | length 13.5
  Top Layer w0.2: R41.2@38,37.7 39.1,37.7 43.3,41.9 45.086,41.9 IC1.90@48.407,38.579
ENET_TX_EN: IC1.93 IC19.16 | length 28.8
  Top Layer w0.2: IC19.16@28.2,43.375 28.2,43.905 31.145,46.85 33.65,46.85 34.4,47.6 v2(34.5,47.6) ; v2(44,39.6) 45.264,39.6 IC1.93@47.346,37.518
  Bottom Layer w0.2: v2(34.5,47.6) 34.5,43.039 38.789,38.75 40.861,38.75 41.711,39.6 v2(44,39.6)
ENET_TXD0: IC1.95 IC19.17 | length 28.3
  Top Layer w0.2: IC19.17@27.7,43.375 27.7,43.9 31.4,47.6 v2(32.3,47.6) ; v2(41.8,37.4) 42.404,37.4 43.403,38.4 45.051,38.4 IC1.95@46.639,36.811
  Bottom Layer w0.2: v2(32.3,47.6) 32.3,44.249 39.149,37.4 v2(41.8,37.4)
ENET_TXD1: IC1.94 IC19.18 | length 29.9
  Top Layer w0.2: IC19.18@27.2,43.375 27.2,43.93 31.62,48.35 v2(33.4,48.35) ; v2(41.85,38.55) 42.066,38.55 42.266,38.75 45.408,38.75 IC1.94@46.993,37.165
  Bottom Layer w0.2: v2(33.4,48.35) 33.4,43.644 38.644,38.4 41.7,38.4 v2(41.85,38.55)
ETA: IC6.2
FET1: D8.2 D14.1 D18.2 IC11.5 IC11.6 IC11.7 IC11.8 J21.2 | length 30
  Top Layer w1: D18.2@79.114,19.808 77.4,19.808 ; 80.772,23.876 78.613,23.876 77.4,22.663 77.4,19.808 ; D14.1@86.563,11.303 86.547,11.319 D8.2@84.489,11.319 84.489,10.331 84.682,10.138 84.682,7.999 84.597,8.084 82.945,8.084 77.4,13.63 77.4,19.808
  Bottom Layer w1: J21.2@84.921,7.902 J21.2@85.15,8.131
FET2: D10.2 D15.1 D17.2 IC12.5 IC12.6 IC12.7 IC12.8 J22.2
FET3: D3.2 D12.2 D21.1 IC17.5 IC17.6 IC17.7 IC17.8 J26.2
FET4: D9.2 D16.1 D31.2 IC13.3 J23.2
FET5: D11.2 D29.1 D32.2 IC14.3 J24.2
FET6: D13.2 D30.1 D33.2 IC15.3 J25.2